# Altium PCB cc2530.PcbDoc
Units mil, origin at the board's own origin, x right, y up, seen from the top; angles counter-clockwise.
Board outline 1377.95 x 1574.8 mil, 4 copper layers (Top Layer, GND, PWR, Bottom Layer), stack 30.634 mil thick; 74 components, 51 nets, 246 pads, 77 vias.
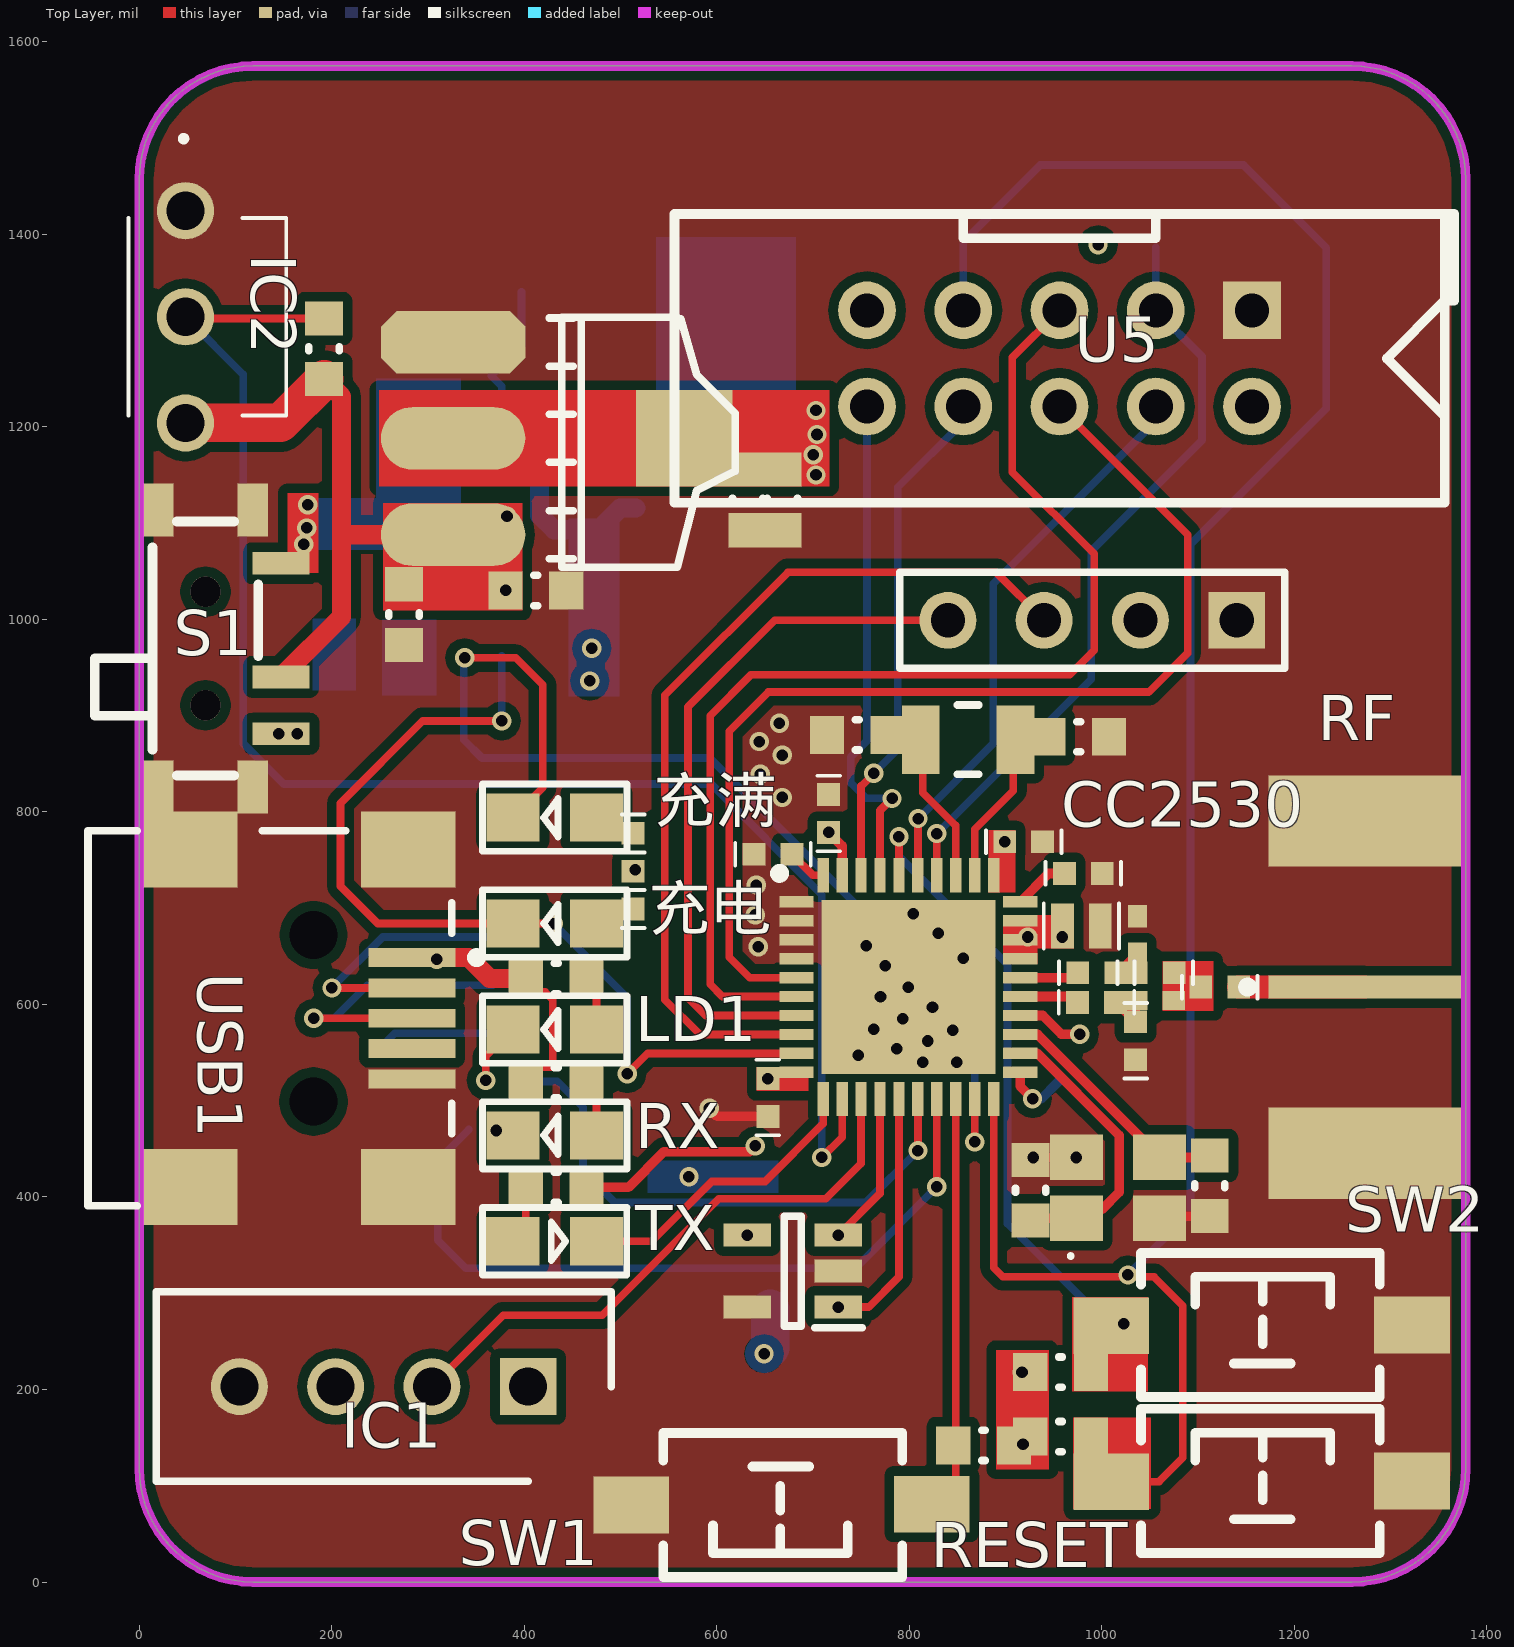
[diagram p0: Top Layer view]
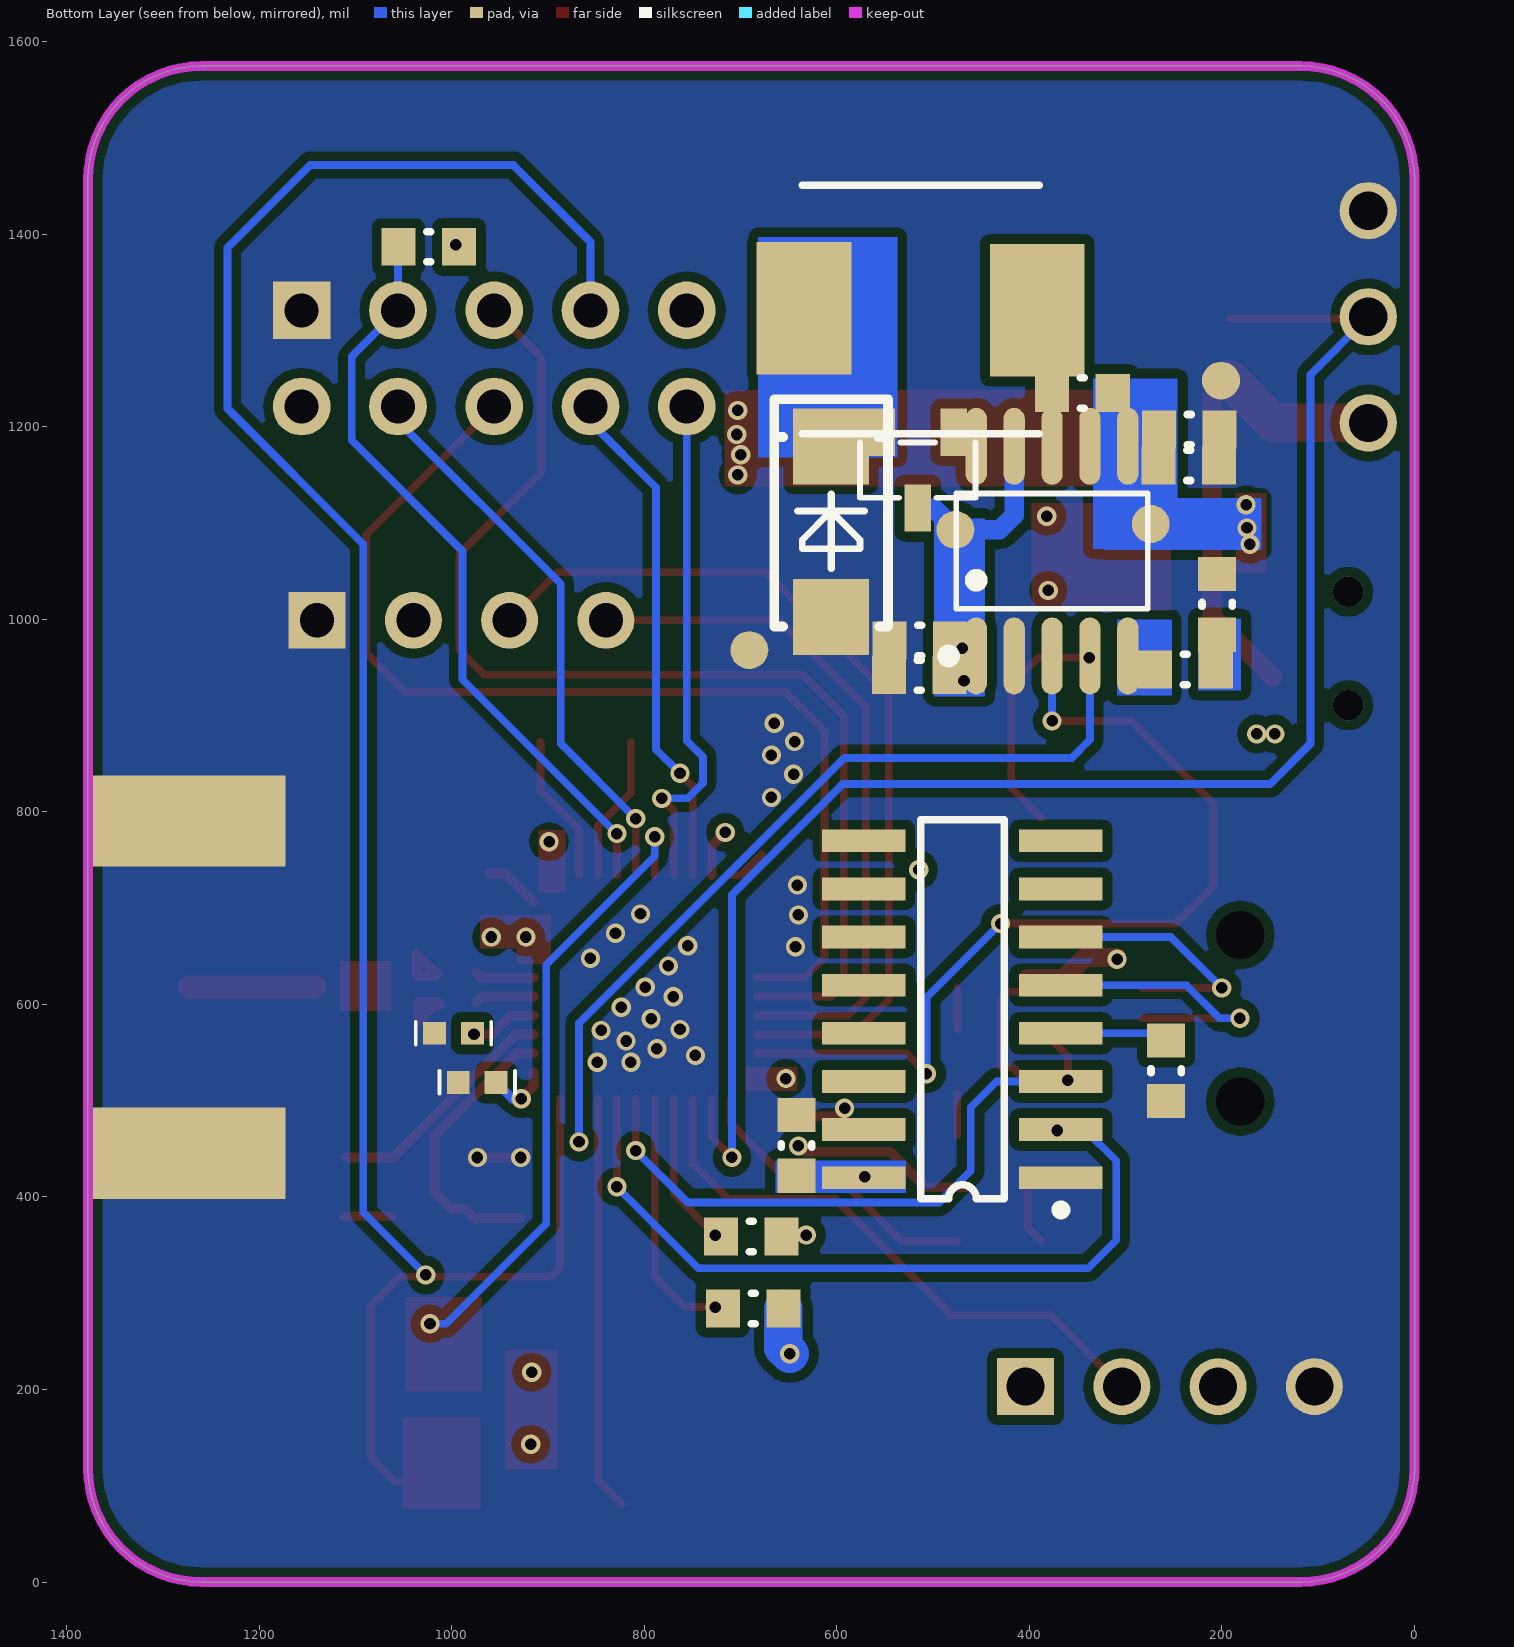
[diagram p1: Bottom Layer view, seen from below]
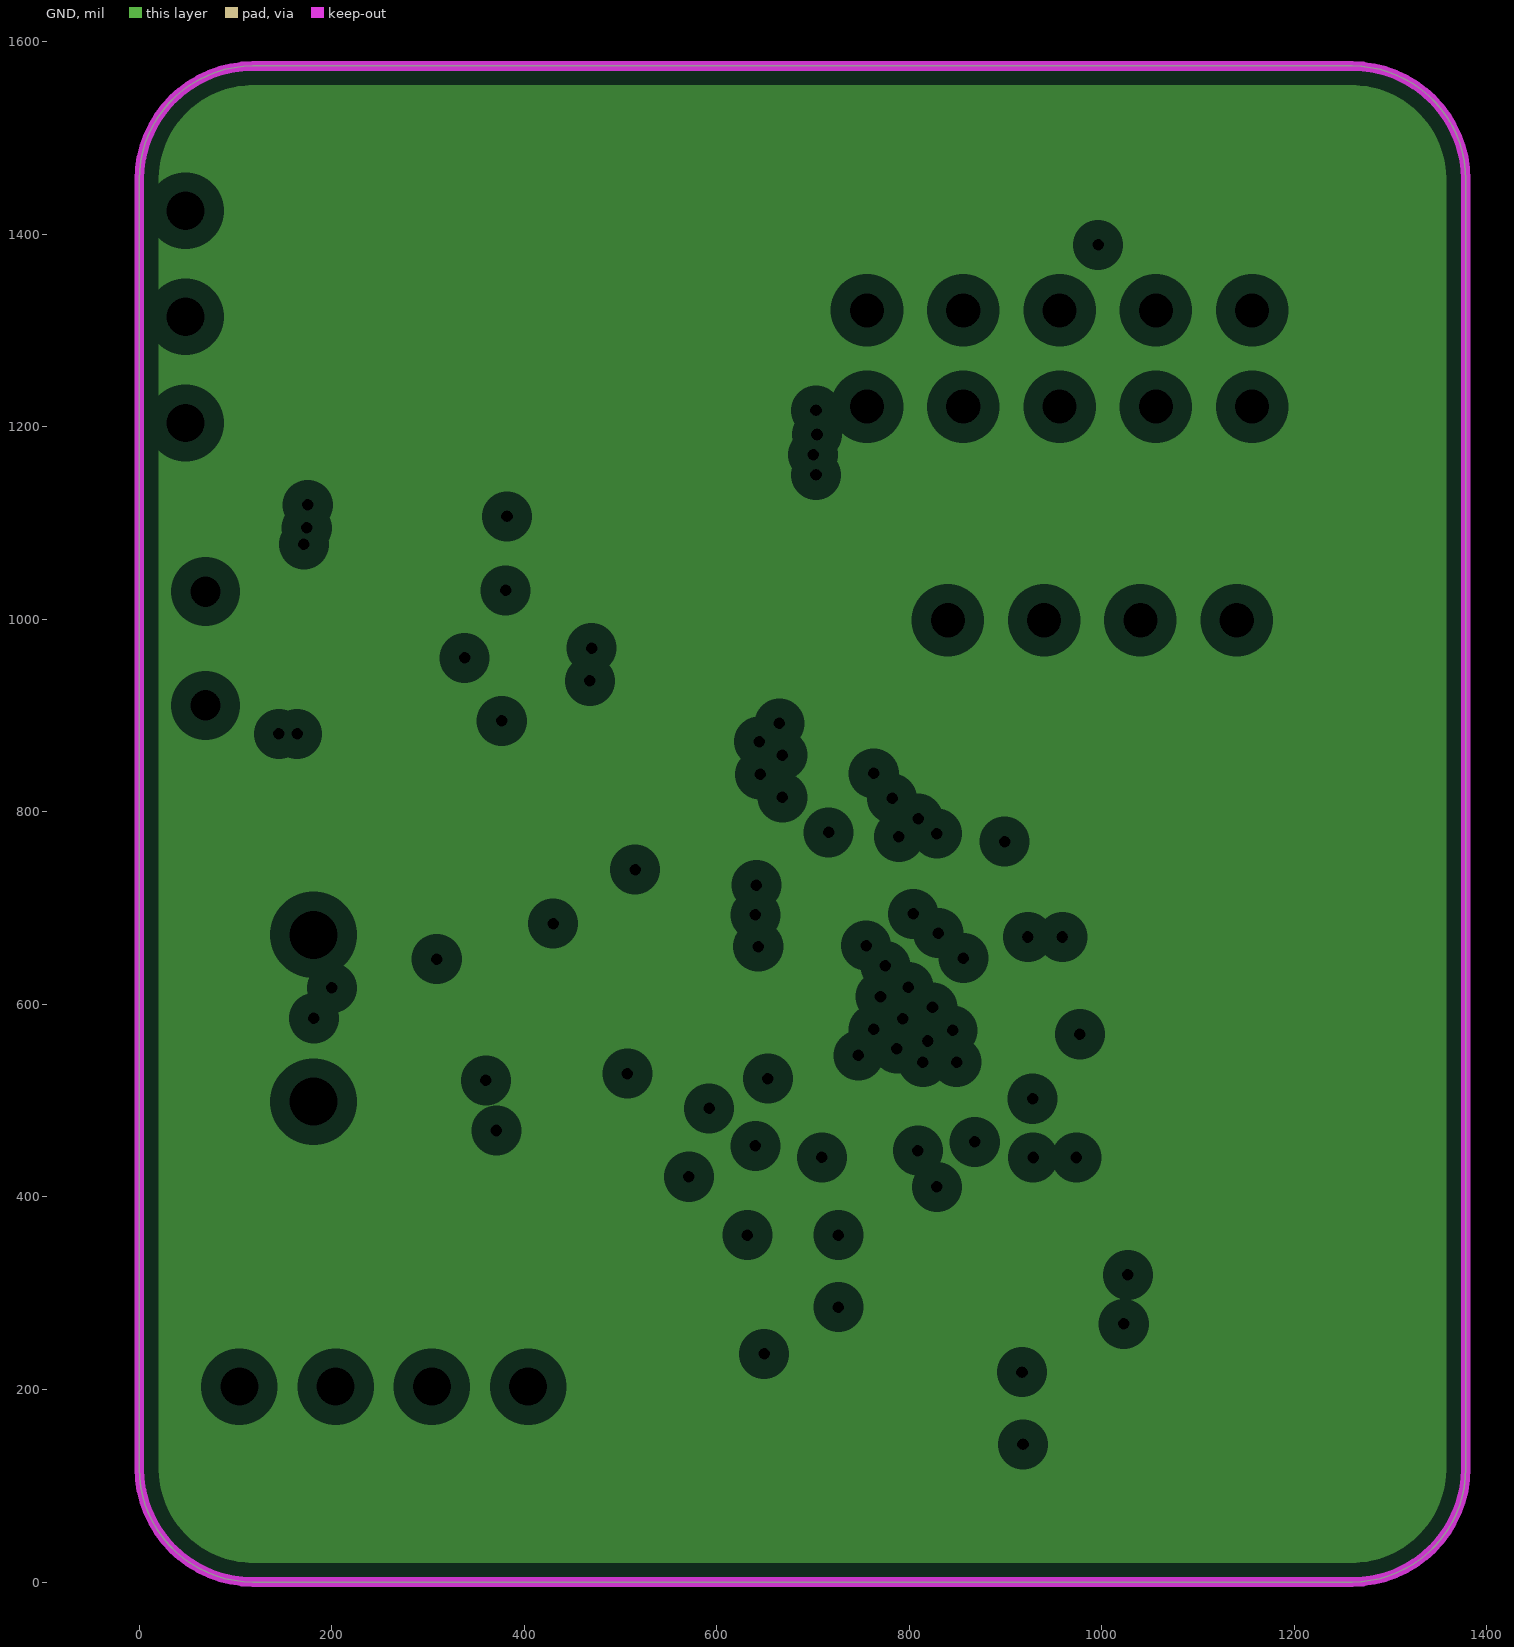
[diagram p2: GND, clearances drawn from the general rule]
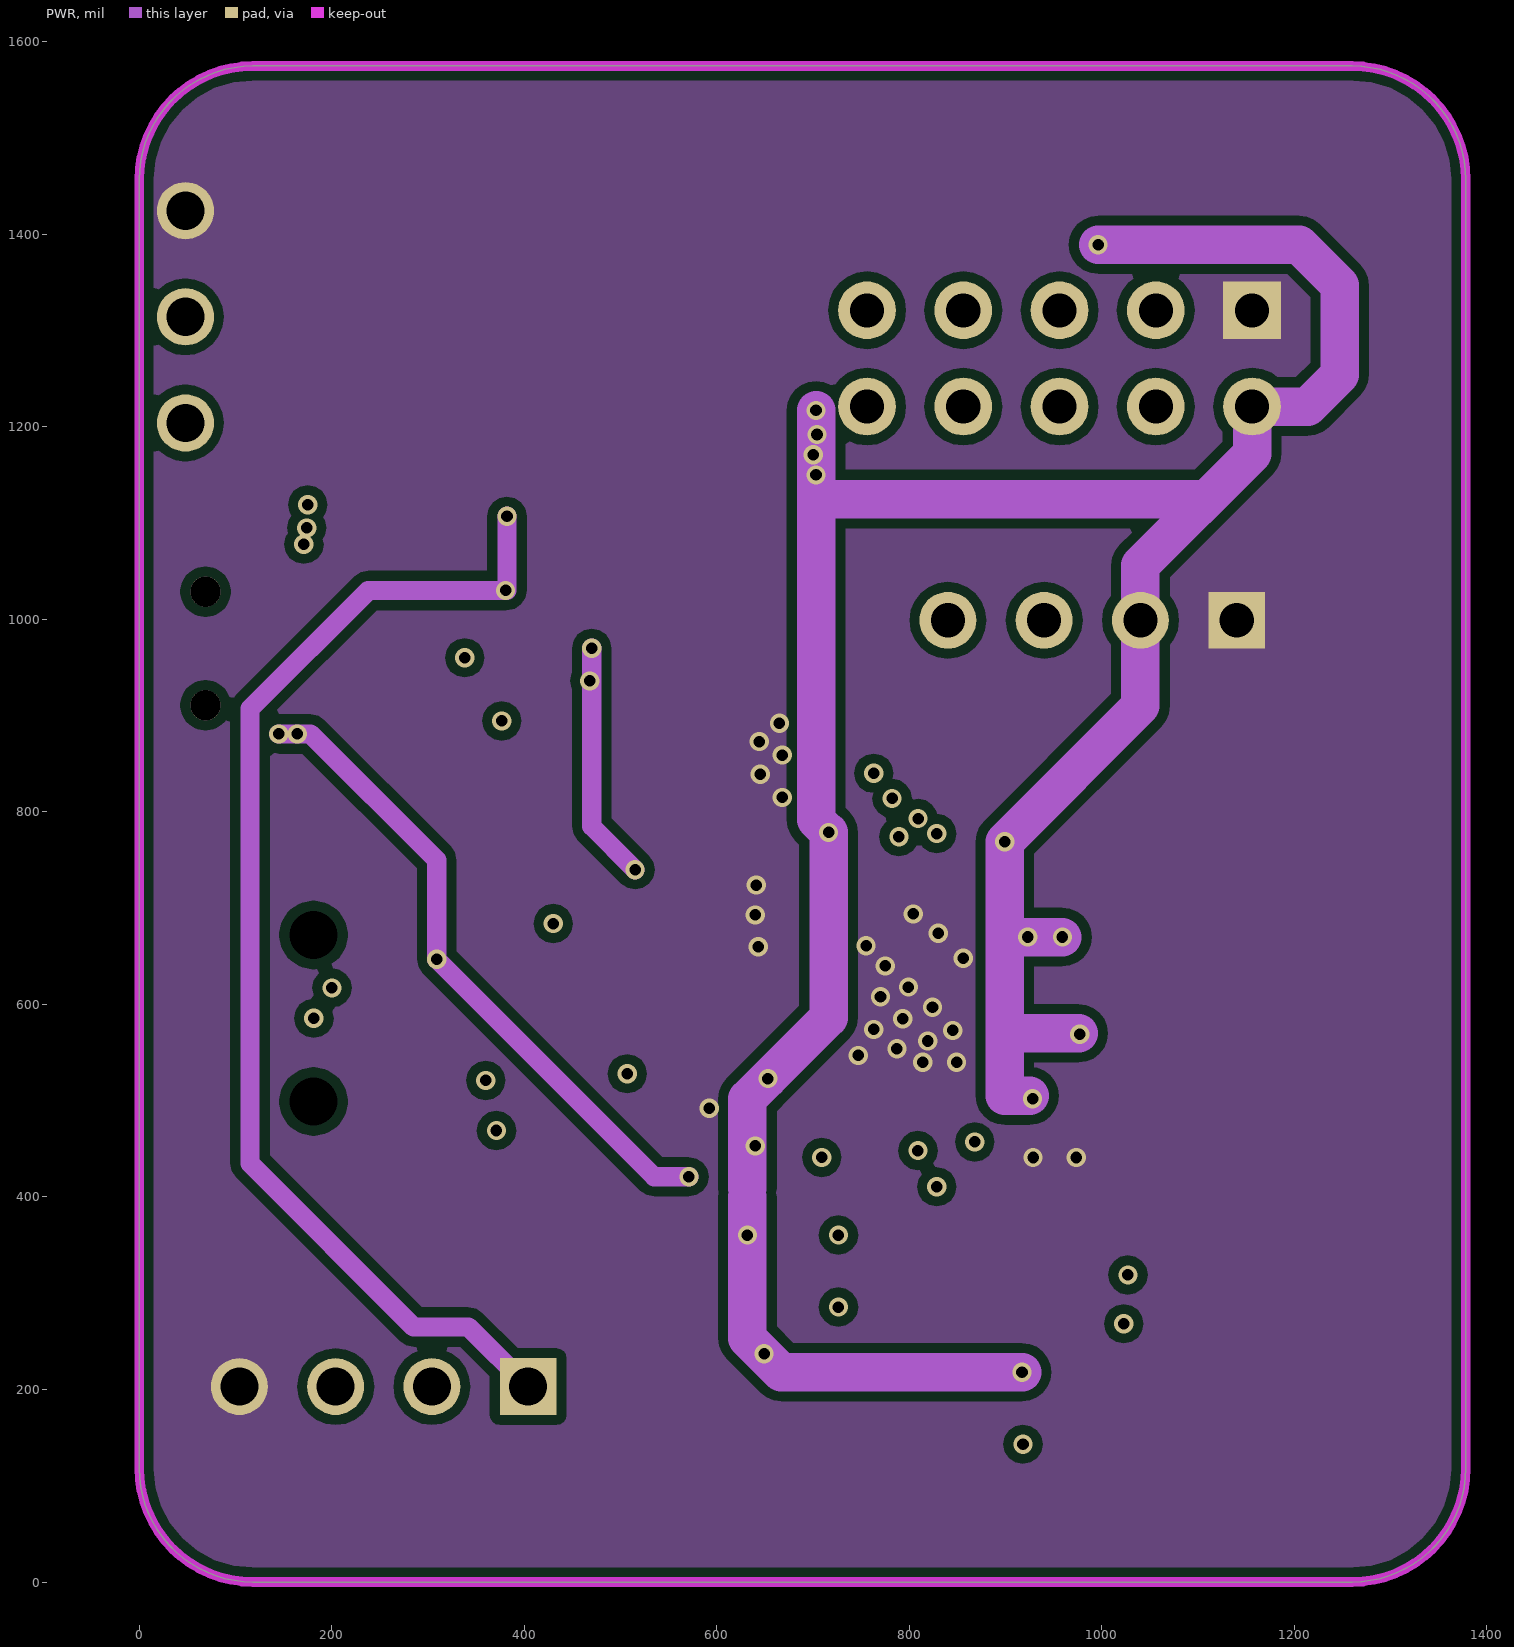
[diagram p3: PWR]

## Layer stack, top to bottom
Top Solder: solder mask 0.4, Solder Resist, Dk 3.5
Top Layer: signal copper 1.4
Dielectric 1: core 10, FR-4, Dk 4.2
GND: plane copper 1.417
Dielectric 2: prepreg 5, Dk 4.2
PWR: signal copper 1.417
Dielectric 3: core 10, Dk 4.2
Bottom Layer: signal copper 1.4
Bottom Solder: solder mask 0.4, Solder Resist, Dk 3.5

## Board outline
0,118.11 0,1456.69 cw(c118.11,1456.69) 118.11,1574.8 1259.84,1574.8 cw(c1259.84,1456.69) 1377.95,1456.69 1377.95,118.11 cw(c1259.84,118.11) 1259.84,0 118.11,0 cw(c118.11,118.11)

## Design rules (kind name [scope] priority, off if disabled: settings)
Clearance [All] p1: gap=10 ignorepadtopadclearanceinfootprint=FALSE except(0: Arc-Hole Track-Hole SMDPad-Hole THPad-Hole Via-Hole Fill-Hole Poly-Hole Region-Hole Text-Hole)
PlaneClearance [All] p1: clearance=20
PlaneConnect [All] p1: planeconnectstyle=Direct reliefexpansion=20 reliefentries=4 reliefconductorwidth=10 reliefairgap=10
PolygonConnect [All] p1: connectstyle=Direct reliefconductorwidth=10 reliefentries=4 polygonreliefangle="90 Angle" airgapwidth=10
RoutingVias [All] p1: holewidth=28 width=50 viastyle="Through Hole" minholewidth=28 minwidth=50 maxholewidth=28 maxwidth=50
SolderMaskExpansion [All] p1: expansion=4
Width [All] p1: maxlimit=100 minlimit=1 preferedwidth=10
28 further rules are at their usual default settings.

## Classes and differential pairs
component class cc2530: CC2530 IC1 IC2 LD1 RESET S1 SW1 SW2 U5 USB1

## Components (designator, comment, footprint, x,y, rotation, side; value= is the part's Value field where it differs from the comment)
C1 "1uF" 0402#1 716,778.63 r90 top
C2 "0.1uF" 0402#1 653,483.63 r90 top
C3 "0.1uF" 0402#1 954,519 r0 bottom
C4 "0.1uF" 0402#1 978.63,570 r0 bottom
C5 "0.1uF" 0402#1 959,670 r0 top
C6 "220pF" 0402#1 959,693 r0 top
C7 "0.1uF" 0402#1 899,769 r0 top
C8 "27pF" 0603C 1112,411.5 r90 top
C9 "27pF" 0603C 926,407 r270 top
C10 "15pF" 0603C 976,878 r0 top
C11 "15pF" 0603C 746,880 r180 top
C12 "18pF" 0402#1 975,633 r0 top
C13 "18pF" 0402#1 974.63,602 r0 top
C14 "1pF" 0402#1 1035.63,633 r0 top
C15 "1pF" 0402#1 1035,542.63 r90 top
C16 "2.2pF" 0402#1 1102.63,618 r0 top
C17 "1uF" 0402#1 638.63,756 r0 top
C18 "10nF" 0603C 258,531 r90 bottom
C19 "1uF" 0603C 642,453.5 r90 bottom
C20 "10uF" 0603C 668,1124 r90 top
C21 "0.1uF" 0603C 275,1005 r90 top
C22 "0.1uF" 0603C 632,1124 r90 top
C23 "10uF" 0603C 412,1030 r0 top
C24 "1uF" 0603C 514.5,942 r180 bottom
C25 "220nF" 0603C 238,948 r0 bottom
C26 "100nF" 0603C 514,978 r180 bottom
C27 "1uF" 0603C 234.5,1160 r0 bottom
C28 "10uF" 0603C 234,1197 r0 bottom
CC2530 "CC2530F128RHAR" QFN50P600X600X100-41N-D 799,618 r0 top locked
D1 "D" D-SMA 606,1091 r90 bottom
IC1 "101020011" HDRV4W80P0X254_1X4_1200X500X1550P 404,203 r180 top
IC2 "DS18B20+T&R" DS18B20TR 48,1424.47 r270 top
IC3 "AT24C08C-STUM-T" SOT95P280X100-5N 679,323 r180 top
J1 "DC-10P" DC-10P 956,1321 r0 top
L1 "2nH" 0402#2 1037,672 r90 top value=100uH
L2 "2nH" 0402#2 1055,604 r0 top value=100uH
L3 "10uH" L-6.5mm 513,1322 r180 bottom
LD1 "LED" SMDLED 475.07,573.94 r180 top
LD6 "LED" SMDLED 475.07,793.94 r180 top
P1 "4" HDR1X4 1140,999 r180 top
Q1 "EN2305" CN2305 516,1155 r90 bottom
R1 "56K" 0402#1 961,736 r0 top
R2 "1k" 0603R 433,627 r0 top
R3 "1k" 0603R 433,518.5 r180 top
R4 "10K" 0603R 1024,1387 r0 bottom
R6 "1K" 0603R 433,410 r0 top
R7 "10K" 0603R 877,142 r180 top
R8 "10K" 0603R 957,218 r0 top
R9 "10K" 0603R 192,1281 r270 top
R10 "10K" 0603R 957,151 r0 top
R11 "120" 0603R 205,1015.5 r270 bottom
R12 "xx" 0603R 345,1235 r180 bottom
R14 "1K" 0402#1 513,738.37 r270 top
R15 "1K" 0402#1 513,738.37 r90 top
R16 "10K" 0603R 689,359 r180 bottom
R17 "10K" 0603R 687,284 r180 bottom
RESET "3x6x5" "TSW SMD-3*6*2.5" 1167,105 r0 top (schematic designator SW3)
RF "SMA" SMA 1177,623 r180 top (schematic designator OUT)
RX "LED" SMDLED 475.07,463.94 r180 top (schematic designator LD2)
S1 "SS-12F23" MSK-12C01-07 68.79,969.7 r270 top
SW1 "3x6x5" "TSW SMD-3*6*2.5" 666,80 r180 top
SW2 "3x6x5" "TSW SMD-3*6*2.5" 1167,267 r0 top
TP1 "test point" TP 477,1093 r180 bottom
TP2 "test point" TP 201,1248 r90 bottom
TP3 "test point" TP 691,968 r90 bottom
TP4 "test point" TP 274,1099 r90 bottom
TX "LED" SMDLED 387.96,354.06 r0 top (schematic designator LD4)
U2 "CH340G" SOP16M 469.64,595 r90 bottom
U4 "CN3761" CN3761 376,1066 r180 bottom locked
U5 "AMS1117-3.3" AMS1117 326.06,1288.03 r270 top
USB1 "USB-B(Mini)" USB/SM0.8-6H5 -25.69,585.61 r180 top locked
X1 "NX3215SA-32.768KHZ-EXS00A-MU00525" XTAL_2SM_3R2X1R5 861,875 r0 top
Y1 "NX3225SA-32.000M-STD-CSR-3" NX3225SA12000MSTDCSR3 1016.69,409.5 r0 top
充电 "LED" SMDLED 475.07,683.94 r180 top (schematic designator LD5)

## Footprints (in the part's own frame and the unit in brackets; to place one, negate y for a bottom-side part, rotate by r counter-clockwise, add the part's x,y. Pads: shape width x height; smd on the part's side, far side on the other; paste and mask are expansions set on the pad)
0402#1 [mm]
  rect 0.6x0.6 smd: 1(0,0) 2(1,0)
  silkscreen extent -0.5,-0.3 1.5,0.3
0402#2 [mm] "Chip Capacitor, Body 1.0x0.5mm, IPC High Density"
  rect 0.6x0.5 smd: 1(-0.5,0) 2(0.5,0)
  body extent -0.55,-0.3 0.55,0.3, height 1.3
0603C [mm] "Chip Capacitor, Body 1.6x0.8mm, Height 1.0mm, IPC Medium Density"
  rect 0.9x1 smd: 1(-0.8,0) 2(0.8,0)
  silkscreen extent -0.05,-0.4 0.05,0.4, body extent -0.87,-0.48 0.88,0.47, height 1
0603R [mm] "Chip Resistor, Body 1.6x0.8mm, IPC Medium Density"
  rect 0.9x1 smd: 1(-0.8,0) 2(0.8,0)
  silkscreen extent -0.05,-0.4 0.05,0.4, body extent -0.85,-0.47 0.85,0.47, height 0.6
AMS1117 [mil]
  oct 65x150 smd: 1(0.03,-0.06)
  oval 65x150 smd: 2(100.03,-0.06) 3(200.03,-0.06)
  rect 100x100 smd: 4(100.03,239.94)
  silkscreen extent -26,100 234,293
CN2305 [mm]
  rect 1.25x0.7 smd: 1(1,-0.95) 2(1,0.95) 3(-1,0)
  silkscreen extent -0.73,-1.53 0.73,1.53
CN3761 [mm]
  oval 0.56x2.031 smd: 1(-2.013,-2.642) 2(-1.013,-2.642) 3(-0.013,-2.642) 4(0.987,-2.642) 5(1.987,-2.642) 6(1.987,2.889) 7(0.987,2.889) 8(-0.013,2.889) 9(-1.013,2.889) 10(-2.013,2.889)
  silkscreen extent -2.9,-2.79 2.51,1.64
D-SMA [mm]
  rect 2x2 smd: 1(-2.25,0) 2(2.25,0)
  silkscreen extent -2.5,-1.5 3.5,1.5, body extent -2.5,-1.35 2.5,1.35, height 2.15
DC-10P [mil]
  rect 60x60 hole 35.43: 1(200,0)
  round 60 hole 35.43: 2(100,0) 3(0,0) 4(-100,0) 5(-200,0) 6(-200,-100) 7(-100,-100) 8(0,-100) 9(100,-100) 10(200,-100)
  silkscreen extent -400,-200 410,100, body extent -401,-233 401,123, height 357
DS18B20TR [mm]
  round 1.512 hole 1.008: 1(0,0) 2(2.8,0) 3(5.6,0)
  silkscreen extent -1.95,-1.5 5.41,2.66, body extent -2.22,-17.02 2.22,0, height 2.22
HDR1X4 [mm]
  rect 1.5x1.5 hole 0.9: 1(0,0)
  round 1.5 hole 0.9: 2(2.54,0) 3(5.08,0) 4(7.62,0)
  silkscreen extent -1.27,-1.27 8.89,1.27
HDRV4W80P0X254_1X4_1200X500X1550P [mm]
  rect 1.5x1.5 hole 1: 1(0,0)
  round 1.5 hole 1: 2(2.54,0) 3(5.08,0) 4(7.62,0)
  silkscreen extent -2.19,-2.5 9.81,2.5
L-6.5mm [mm]
  rect 2.5x3.5 smd: 1(-3.075,0.025) 2(3.075,-0.025)
  silkscreen extent -3.12,-3.28 3.12,3.28, body extent -3.13,-3 3.13,3, height 3
MSK-12C01-07 [mm] "6.7*2.8*1.5mm(长宽高）"
  rect 1.4x0.8 smd: 0(-3.65,-1.25) 0(-3.65,1.25) 0(3.65,-1.25) 0(3.65,1.25)
  rect 0.6x1.5 smd: 1(-2.25,1.996) 2(0.75,1.996) 3(2.25,1.996)
  round 0.8 hole 0.8: " "(-1.5,0) " "(1.5,0)
  silkscreen extent -3.35,-2.92 3.35,1.4, body extent -3.92,-2.9 3.92,2.4, height 1.5
NX3225SA12000MSTDCSR3 [mm]
  rect 1.4x1.2 smd: 1(-1.1,-0.8) 2(1.1,-0.8) 3(1.1,0.8) 4(-1.1,0.8)
  silkscreen extent -1.3,-1.85 -1.2,-1.75, body extent -1.68,-1.28 1.68,1.28, height 0.7
QFN50P600X600X100-41N-D [mm]
  rect 0.9x0.3 smd: 1(-2.95,2.25) 2(-2.95,1.75) 3(-2.95,1.25) 4(-2.95,0.75) 5(-2.95,0.25) 6(-2.95,-0.25) 7(-2.95,-0.75) 8(-2.95,-1.25) 9(-2.95,-1.75) 10(-2.95,-2.25) 21(2.95,-2.25) 22(2.95,-1.75) 23(2.95,-1.25) 24(2.95,-0.75) 25(2.95,-0.25) 26(2.95,0.25) 27(2.95,0.75) 28(2.95,1.25) 29(2.95,1.75) 30(2.95,2.25)
  rect 0.3x0.9 smd: 11(-2.25,-2.95) 12(-1.75,-2.95) 13(-1.25,-2.95) 14(-0.75,-2.95) 15(-0.25,-2.95) 16(0.25,-2.95) 17(0.75,-2.95) 18(1.25,-2.95) 19(1.75,-2.95) 20(2.25,-2.95) 31(2.25,2.95) 32(1.75,2.95) 33(1.25,2.95) 34(0.75,2.95) 35(0.25,2.95) 36(-0.25,2.95) 37(-0.75,2.95) 38(-1.25,2.95) 39(-1.75,2.95) 40(-2.25,2.95)
  rect 4.6x4.6 smd: 41(0,0)
  silkscreen extent -3.52,2.88 -3.27,3.12, body extent -3.05,-3.05 3.05,3.05, height 1
SMA [mil]
  rect 200x24 smd: 1(-96,5)
  rect 200x95 smd: 2(-96,177.5) 2(-96,-167.5)
  rect 200x95 smd far side: 2(-96,177.5) 2(-96,177.5) 2(-96,-167.5)
  silkscreen extent 21,0 31,10, body extent -571,-183 -9,192, height 171
SMDLED [mm]
  rect 1.4x1.27 smd: 1(0.001,-0.002) 2(2.211,-0.002)
  silkscreen extent -0.8,-0.89 3.01,0.89
SOP16M [mm]
  rect 0.6x2.2 smd: 1(-4.445,-2.6) 2(-3.175,-2.6) 3(-1.905,-2.6) 4(-0.635,-2.6) 5(0.635,-2.6) 6(1.905,-2.6) 7(3.175,-2.6) 8(4.445,-2.6) 9(4.445,2.6) 10(3.175,2.6) 11(1.905,2.6) 12(0.635,2.6) 13(-0.635,2.6) 14(-1.905,2.6) 15(-3.175,2.6) 16(-4.445,2.6)
  silkscreen extent -5.42,-2.72 5,1.1
SOT95P280X100-5N [mm]
  rect 1.25x0.6 smd: 1(-1.2,0.95) 2(-1.2,0) 3(-1.2,-0.95) 4(1.2,-0.95) 5(1.2,0.95)
  silkscreen extent -1.83,-1.45 0.23,1.5
TP [mm] "Testpoint, Surface Mounting, Circular, Pad Diameter 1mm"
  round 1 smd: 1(0,0)
"TSW SMD-3*6*2.5" [mm] "3*6*2.5mm"
  rect 2x1.5 smd: 1(-3.996,-0.02) 2(3.937,0)
  silkscreen extent -3.21,-1.9 3.09,1.9, body extent -4,-1.88 4,1.62, height 2.59
USB/SM0.8-6H5 [mm]
  rect 2.3x0.5 smd: 1(-7.85,-1.6) 2(-7.85,-0.8) 3(-7.85,0) 4(-7.85,0.8) 5(-7.85,1.6)
  rect 2.5x2 smd: 6(-7.75,4.45) 7(-1.996,4.45) 8(-7.75,-4.45) 9(-1.996,-4.45)
  round 0.6 hole 1.27 unplated: MH1(-5.25,2.2) MH2(-5.25,-2.2)
  silkscreen extent -9.68,-4.95 0.7,4.95
XTAL_2SM_3R2X1R5 [mm] "CRYSTAL 32.768KHZ 6PF SMD 2 pads"
  rect 1x1.8 smd: 1(-1.25,0) 2(1.25,0)
  silkscreen extent -0.28,-0.91 0.28,0.91, body extent -1.63,-0.75 1.58,0.75, height 0.89

## Part data
C1 C2 C3 C4 C5 C6 C7 C8 C9 C10 C11 C12 C13 C14 C15 C16 C17 C18 C19 C20 C21 C22 C23 C24 C25 C26 C27 C28: library part C, "Capacitor"
CC2530: "Integrated Circuit", Manufacturer_Name="Texas Instruments", Mouser Part Number=595-CC2530F128RHAR, Arrow Part Number=CC2530F128RHAR, Arrow Price/Stock=https://www.arrow.com/en/products/cc2530f128rhar/texas-instruments, Datasheet Link=http://www.ti.com/lit/gpn/CC2530-RF4CE, Height=1mm, Manufacturer_Part_Number=CC2530F128RHAR, Mouser Price/Stock=https://www.mouser.co.uk/ProductDetail/Texas-Instruments/CC2530F128RHAR?qs=X4N6sOTYzkgp9HkVp9sZXw%3D%3D
D1: library part Diode, "二极管"
IC1: "Integrated Circuit", Manufacturer_Name="Seeed Studio", Mouser Part Number=713-101020011, Arrow Part Number=101020011, Arrow Price/Stock=https://www.arrow.com/en/products/101020011/seeed-technology-limited, Datasheet Link=https://componentsearchengine.com/Datasheets/1/101020011.pdf, Height=15.5mm, Manufacturer_Part_Number=101020011, Mouser Price/Stock=https://www.mouser.co.uk/ProductDetail/Seeed-Studio/101020011?qs=1%252B9yuXKSi8Dq%252B99bte6U5Q%3D%3D
IC2: "Integrated Circuit", Manufacturer_Name="Maxim Integrated", Mouser Part Number=700-DS18B20T&R, Datasheet Link=https://componentsearchengine.com/Datasheets/1/DS18B20+T&R.pdf, Height=10.41mm, Manufacturer_Part_Number=DS18B20+T&R, Mouser Price/Stock=https://www.mouser.co.uk/ProductDetail/Maxim-Integrated/DS18B20%2bTR?qs=7H2Jq%252ByxpJKpIDCbiq4lfg%3D%3D
IC3: "Integrated Circuit", Manufacturer_Name=Microchip, Mouser Part Number=556-AT24C08C-STUM-T, Arrow Part Number=AT24C08C-STUM-T, Arrow Price/Stock=https://www.arrow.com/en/products/at24c08c-stum-t/microchip-technology, Datasheet Link=https://www.mouser.com/datasheet/2/268/Atmel-8787-SEEPROM-AT24C04C-08C-Datasheet-1398080.pdf, Height=1mm, Manufacturer_Part_Number=AT24C08C-STUM-T, Mouser Price/Stock=https://www.mouser.co.uk/ProductDetail/Microchip-Technology-Atmel/AT24C08C-STUM-T/?qs=TI%2F9gtmDCEHb3Qhj7sWiHQ%3D%3D
L1 L2: library part Inductor, "Inductor", Published=8-Jun-2000, Publisher="Altium Limited", Revision="July-2002: Re-released for DXP Platform."
L3: library part Inductor
LD1 LD6 RX TX 充电: "Typical RED, GREEN, YELLOW, AMBER GaAs LED", PackageDocument=Feb-2002, LatestRevisionDate=17-Jul-2002, LatestRevisionNote="Re-released for DXP Platform.", PackageReference=3.2X1.6X1.1, Published=8-Jun-2000, Publisher="Altium Limited"
P1: library part "Header 4", "Header, 4-Pin", LatestRevisionDate=17-Jul-2002, LatestRevisionNote="Re-released for DXP Platform.", Publisher="Altium Limited"
Q1: BOM_JLCPCB Part Class="Extended Part", BOM_Manufacturer=ETERNAL, BOM_Manufacturer Part=EN2305, BOM_Supplier=LCSC, BOM_Supplier Part=C967035, Contributor=LCSC, spicePre=Q, spiceSymbolName=EN2305
R1 R2 R3 R4 R6 R7 R8 R9 R10 R11 R12 R14 R15 R16 R17: library part Resistor, "Resistor"
RESET SW1 SW2: library part "TSW 3x6", "3x6轻触开关", BOM名称=3x6轻触开关, 学习资源=www.ooocke.com, 版权归属=源创客
RF: "SMA Connector"
S1: library part SSW-1P, "1路波动开关", BOM名称=波动开关, 学习资源=www.ooocke.com, 版权归属=源创客
TP1 TP2 TP3 TP4: library part TP
U2: "USB2UART"
U4: library part CN3761_1, BOM_JLCPCB Part Class="Extended Part", BOM_Manufacturer=CONSONANCE, BOM_Manufacturer Part=CN3761, BOM_Supplier=LCSC, BOM_Supplier Part=C41308, spicePre=U, spiceSymbolName=CN3761
U5: library part AMS1117
USB1: library part USB5_1
X1: library part XTAL, "Crystal"
Y1: library part NX3225SA-12.000M-STD-CSR-3, "Crystal or Oscillator", Manufacturer_Name="Nihon Dempa Kogyo Co.", Arrow Part Number=NX3225SA-12.000M-STD-CSR-3, Arrow Price/Stock=https://www.arrow.com/en/products/nx3225sa12.000mstdcsr3/ndk, Datasheet Link=https://www.arrow.com/en/products/nx3225sa12.000mstdcsr3/ndk, Height=0.6mm, Manufacturer_Part_Number=NX3225SA-12.000M-STD-CSR-3

## Via types
v1: diameter 20, hole 12, Top Layer to Bottom Layer, tented both sides, 77 vias

## Nets (pads, with @x,y where several pads share a name; then routed paths per layer and width w, separated by ;. In a path a pad name is that pad's centre, name@x,y a point inside that pad or via, vN(x,y) a via of type N, cw(c..) or ccw(c..) an arc to the next point about the centre after c; other vN are vias at no path point)
3V3: C1.1 C2.2 C3.1 C4.1 C5.1 C6.1 C7.1 C20.2 C22.2 CC2530.10 CC2530.21 CC2530.24 CC2530.27 CC2530.28 CC2530.29 CC2530.31 CC2530.39 IC3.4 J1.10 P1.2 R4.1 R6.2 R7.1 R8.1 R10.1 R16.2 R17.2 U5.2 U5.4 | length 3610.8
  Top Layer w10: R6.2 508,410 545,447 634,447 v1(640,453) ; v1(716,778.63) 730.1,764.53 CC2530.39 ; CC2530.21 915.14,514.86 v1(928,502) ; CC2530.24 938.53,588.47 958,569 v1(977,569) ; CC2530.27 CC2530.28 CC2530.29
  PWR w40: 631.76,400 v1(631.76,360.4) 631.76,253.24 667,218 v1(917,218) ; 631.76,409 631.76,501.76 v1(653,523) 716,586 v1(716,778.63) 703,791.63 703,1125 ; v1(703,1217) v1(703,1150) 703,1125 ; 905,670 v1(923,670) v1(959,670) ; v1@925,505 899,505 899,570 ; v1@976,570 899,570 ; v1(996,1389) 1205,1389 1247,1347 1247,1254 1214,1221 J1.10 1156,1172 1040,1056 P1.2 1040,910 v1(899,769) 899,570 ; 1105,1125 703,1125
  Bottom Layer w10: v1(928,502) 937,502 C3.1
  Bottom Layer w40: v1(649,237) 655.5,243.5 R17.2
  other v1: 918,143 700,1171 704,1192
GND: C1.2 C2.1 C3.2 C4.2 C5.2 C6.2 C7.2 C8.1 C9.1 C10.2 C11.2 C15.1 C17.1 C18.1 C19.2 C20.1 C21.1 C22.1 C23.2 C24.1 C26.1 C27.1 C28.1 CC2530.1 CC2530.2 CC2530.3 CC2530.4 CC2530.41 D1.1 IC1.4 IC2.1 IC3.2 IC3.5 J1.1 L1.2 P1.1 R1.2 R11.1 RESET.2 RF.2 S1.0 SW1.2 SW2.2 TP2.1 TP3.1 U2.1 U4.2 U5.1 USB1.5 USB1.6 USB1.7 USB1.8 USB1.9 Y1.2 Y1.4 | length 159.4
  Top Layer w10: v1(592,492) 600.37,483.63 C2.1 ; v1(928.5,440.99) v1(973.39,440.99) ; Y1.2@1062,380 C8.1
  other v1: 814,540 849,540 747,547 787,554 819,562 845,573 763,574 793,585 824,597 770,608 799,618 775,640 856,648 643,660 755,661 830,674 640,693 804,694 641,724 668,815 645,839 668,859 644,873 665,892
NetC8_2: C8.2 CC2530.23 Y1.3 | length 248.1
  Top Layer w10: CC2530.23 933.21,568.79 Y1.3@1060.5,441.5 ; Y1.3 C8.2@1110,440.99
NetC9_2: C9.2 CC2530.22 Y1.1 | length 295.7
  Top Layer w10: CC2530.22 932.9,549.1 1018,464 1018,405 1000.53,387.53 986.42,387.53 Y1.1@975.89,377 ; C9.2@928.5,378 Y1.1
NetC10_1: C10.1 CC2530.32 X1.2 | length 155.3
  Top Layer w8: CC2530.32 867.9,781.9 908,822 X1.2@908,872.79
NetC11_1: C11.1 CC2530.33 X1.1 | length 152.8
  Top Layer w8: X1.1@814,872.79 814,820 848.21,785.79 CC2530.33
NetC12_1: C12.1 CC2530.26 | length 62
  Top Layer w10: CC2530.26 969.84,627.84 C12.1
NetC12_2: C12.2 C14.1 L1.1 | length 72.1
  Top Layer w10: C12.2 1017.68,633 L1.1 1037,631.37 1035.63,630 C12.2@1017,630
NetC13_1: C13.1 CC2530.25 | length 62
  Top Layer w10: CC2530.25 968.47,608.16 C13.1
NetC13_2: C13.2 C15.2 L2.1 | length 69.8
  Top Layer w10: C13.2@1012,599 1018,599 1034.63,582.37 1034.63,602 C13.2
NetC14_2: C14.2 C16.1 L2.2 | length 74.8
  Top Layer w10: C14.2@1075,630 1075,603 1090,618 1079,629 1079,618
NetC16_2: C16.2 RF.1 | length 131
  Top Layer w24: C16.2 RF.1
NetC17_2: C17.2 CC2530.40 | length 41.5
  Top Layer w8: C17.2 699.86,734.14 CC2530.40
NetC18_2: C18.2 U2.4 | length 112.4
  Bottom Layer w8: C18.2 265.5,570 U2.4
NetC25_1: C25.1 R11.2
NetC25_2: C25.2 U4.5
NetCC2530_30: CC2530.30 R1.1 | length 58
  Top Layer w10: CC2530.30 944.56,736 R1.1
NetD1_2: D1.2 L3.1 Q1.2
NetL3_2: L3.2 R12.1 U4.8 | length 177.9
  Bottom Layer w8: U4.8 376.52,1241.98 365.5,1253 397,1284.5 L3.2@397,1340
NetLD1_1: LD1.1 R2.2 | length 42.5
  Top Layer w8: LD1.1 R2.2@475.04,616.46
NetLD2_1: R3.1 RX.1 | length 44
  Top Layer w8: RX.1 R3.1@475.04,507.96
NetLD4_1: R6.1 TX.1 | length 61.6
  Top Layer w8: TX.1 401.5,367.51 R6.1
NetLD5_1: R14.2 充电.1
NetLD6_1: LD6.1 R15.2
NetQ1_1: Q1.1 U4.10
NetU2_5: U2.5 USB1.3 | length 302.1
  Top Layer w8: v1(181.39,585.61) USB1.3
  Bottom Layer w8: v1(181.39,585.61) 202.55,585.61 236.94,620 U2.5
NetU2_6: U2.6 USB1.2 | length 272.3
  Top Layer w8: v1(200.11,617.11) USB1.2
  Bottom Layer w8: v1(200.11,617.11) 253,670 U2.6
P0_0: CC2530.19 LD6.2 U4.4 | length 1151.4
  Top Layer w8: v1(338,960) 391,960 419,932 419,824.97 LD6.2 ; v1(867.9,457.1) CC2530.19
  Bottom Layer w8: U4.4 337.15,874.85 356,856 592.46,856 867.9,580.56 v1(867.9,457.1)
P0_1: CC2530.18 R7.2 SW1.1 | length 431.4
  Top Layer w8: SW1.1 848.21,105.68 CC2530.18
P0_2: CC2530.17 RX.2 U2.2 | length 785.4
  Top Layer w8: v1(828.53,410.53) CC2530.17
  Bottom Layer w8: U2.2@342.36,470 309.97,437.61 309.97,354.97 339,325.94 339,326 744,326 v1(828.53,410.53)
  other v1: 371,469
P0_3: CC2530.16 LD1.2 U2.3 | length 636.3
  Top Layer w8: v1(360,521) 360,545.97 LD1.2 ; v1(808.84,448.16) CC2530.16
  Bottom Layer w8: U2.3@404,520 434,520 461,493 461,427 493.81,394.19 754.87,394.19 v1(808.84,448.16)
P0_4: CC2530.15 IC3.1 R17.1 | length 260.7
  Top Layer w8: v1(726.24,285.6) 757.6,285.6 789.16,317.16 CC2530.15
P0_5: CC2530.14 IC3.3 R16.1 | length 159.4
  Top Layer w8: v1(726.24,360.4) 769.47,403.63 CC2530.14
P0_6: CC2530.13 IC1.2 | length 608.9
  Top Layer w8: IC1.2 378,277 481,277 602,398 713,398 749.79,434.79 CC2530.13
P0_7: CC2530.12 IC2.2 R9.1 | length 1619
  Top Layer w8: IC2.2@49.74,1312.5 R9.1 ; v1(709,441) 730.1,462.1 CC2530.12
  Bottom Layer w8: IC2.2 108,1254.24 108,871 150,829 594,829 709,714 v1(709,441)
P1_0: CC2530.11 TX.2 | length 311.6
  Top Layer w8: TX.2 532.54,354 594.54,416 650.06,416 710.42,476.36 CC2530.11
P1_1: CC2530.9 U4.3 充电.2 | length 971
  Top Layer w8: v1(376.52,894.48) 294.48,894.48 209,809 209,722.85 247.85,684 充电.2 v1(430,684) ; v1(507,528) 528.1,549.1 CC2530.9
  Bottom Layer w8: U4.3 v1(376.52,894.48) v1@378,893 ; v1@425.58,680 434,680 507,607 v1(507,528)
P1_2: CC2530.8 P1.3 | length 935.6
  Top Layer w8: CC2530.8 582.21,568.79 546,605 546,921 674,1049 890,1049 P1.3
P1_3: CC2530.7 P1.4 | length 729.8
  Top Layer w8: CC2530.7 588.53,588.47 570,607 570,909 660,999 P1.4
P1_4: CC2530.6 J1.3 | length 1209.8
  Top Layer w8: CC2530.6 605.84,608.16 593,621 593,900 635.43,942.43 966.43,942.43 992,968 992,1068 907,1153 907,1272 J1.3
P1_5: CC2530.5 J1.8 | length 1134.4
  Top Layer w8: CC2530.5 634.16,627.84 612.82,649.18 612.82,883.82 653.43,924.43 1048.43,924.43 1089,965 1089,1088 J1.8
P1_6: CC2530.38 J1.7 | length 530.9
  Top Layer w8: CC2530.38 749.79,826.79 v1(763,840)
  Bottom Layer w8: v1(763,840) 788,865 788,1137 856,1205 J1.7
P1_7: CC2530.37 J1.6 | length 532.7
  Top Layer w8: CC2530.37 769.47,801.47 v1(782,814)
  Bottom Layer w8: J1.6 756,874 739,857 739,830.06 755.06,814 v1(782,814)
P2_0: CC2530.36 R8.2 SW2.1 | length 652.6
  Top Layer w8: CC2530.36 v1(789.16,774.16)
  Bottom Layer w8: v1(789.16,774.16) 789.16,753.84 902,641 902,372 1005.79,268.21 v1(1022.69,268.21)
P2_1: CC2530.35 J1.9 | length 589.2
  Top Layer w8: CC2530.35 v1@808.84,793
  Bottom Layer w8: v1(809,793) 887,871 887,1037 1056,1206 J1.9
P2_2: CC2530.34 J1.2 R4.2 | length 786.3
  Top Layer w8: CC2530.34 v1(828.53,777.47)
  Bottom Layer w8: v1(828.53,777.47) 989,937.94 989,1071 1104,1186 1104,1273 J1.2 R4.2@1056,1386.5
RESET: CC2530.20 J1.4 R10.2 RESET.1 | length 2299.9
  Top Layer w8: CC2530.20 887.58,326.42 897,317 1054,317 1084,287 1084,129 1059.21,104.21 RESET.1
  Bottom Layer w8: J1.4 856,1392 936,1472 1147,1472 1233,1386 1233,1219 1092,1078 1092,384 v1(1027,319)
VCC: C19.1 R2.1 R3.2 S1.3 U2.16 USB1.1 | length 928.5
  Top Layer w8: R3.2 418,535 429.59,535 429.59,604.8 421.39,613 401.5,613 R2.1
  Top Layer w20: USB1.1@309,648.6 342.59,648.6 364.19,627 R2.1
  PWR w20: v1(145,881) v1(164,881) 178,881 309,750 v1(309,647) 535,421 v1(571,421)
VCC1: C21.2 C23.1 IC1.1 IC2.3 R9.2 S1.2 U5.3 | length 1873.8
  Top Layer w10: U5.3@316,1088 U5.3
  Top Layer w20: S1.2 210,1002.8 210,1084 ; R9.2 210,1231.5 210,1084 ; U5.3@316,1088 214,1088 210,1084
  Top Layer w40: IC2.3 146.5,1204 R9.2
  PWR w20: v1(380.5,1030) 238,1030 115,907 115,435 285,265 342,265 IC1.1 ; v1@382,1030 v1(382,1107)
VCC-Li: C27.2 C28.2 R12.2 S1.1 TP4.1 U4.6 U4.7
  other v1: 171,1078 174,1095 175,1119
VCC-SUN: C24.2 C26.2 Q1.3 R14.1 R15.1 TP1.1 U4.1 U4.9 | length 436
  PWR w20: v1(470,970) 470,785 v1(515,740)
  Bottom Layer w20: U4.9 415.89,1108.11 431,1093 TP1.1 499.63,1115.63 Q1.3
  other v1: 468,936
pads on no net: "S1. " IC1.3 J1.5 U2.7 U2.8 U2.9 U2.10 U2.11 U2.12 U2.13 U2.14 U2.15 USB1.4 USB1.MH1 USB1.MH2

## Polygon pours and split planes (outlines as drawn)
GND on Top Layer "Top Layer-No Net" (solid, remove dead copper, pour order 1): 0,118.11 0,1456.69 cw(c118.11,1456.69) 118.11,1574.8 1259.84,1574.8 cw(c1259.84,1456.69) 1377.95,1456.69 1377.95,118.11 cw(c1259.84,118.11) 1259.84,0 118.11,0 cw(c118.11,118.11)
no net on Top Layer "Top Layer-No Net" (solid, remove dead copper, pour order 4): 0,118.11 0,1456.69 cw(c118.11,1456.69) 118.11,1574.8 1259.84,1574.8 cw(c1259.84,1456.69) 1377.95,1456.69 1377.95,118.11 cw(c1259.84,118.11) 1259.84,0 118.11,0 cw(c118.11,118.11)
GND on Bottom Layer "Top Layer-No Net" (solid, remove dead copper, pour order 2): 0,118.11 0,1456.69 cw(c118.11,1456.69) 118.11,1574.8 1259.84,1574.8 cw(c1259.84,1456.69) 1377.95,1456.69 1377.95,118.11 cw(c1259.84,118.11) 1259.84,0 118.11,0 cw(c118.11,118.11)
GND on PWR "Top Layer-No Net" (solid, remove dead copper, pour order 6): 0,118.11 0,1456.69 cw(c118.11,1456.69) 118.11,1574.8 1259.84,1574.8 cw(c1259.84,1456.69) 1377.95,1456.69 1377.95,118.11 cw(c1259.84,118.11) 1259.84,0 118.11,0 cw(c118.11,118.11)
no net on GND (split plane): 1268.39,1554.42 1276.88,1553.31 1285.23,1551.45 1293.4,1548.88 1301.3,1545.6 1308.89,1541.65 1316.11,1537.05 1322.9,1531.84 1329.21,1526.06 1334.99,1519.75 1340.2,1512.96 1344.8,1505.74 1348.75,1498.15 1352.03,1490.25 1354.6,1482.08 1356.46,1473.73 1357.57,1465.24 1357.92,1457.33 1357.86,1456.69 1357.86,118.11 1357.92,117.48 1357.57,109.56 1356.46,101.07 1354.6,92.72 1352.03,84.56 1348.75,76.65 1344.8,69.06 1340.2,61.84 1334.99,55.05 1329.21,48.74 1322.9,42.96 1316.11,37.75 1308.89,33.15 1301.3,29.2 1293.4,25.92 1285.23,23.35 1276.88,21.5 1268.39,20.38 1260.48,20.03 1259.84,20.1 118.11,20.1 117.48,20.03 109.56,20.38 101.07,21.5 92.72,23.35 84.56,25.92 76.65,29.2 69.06,33.15 61.84,37.75 55.05,42.96 48.74,48.74 42.96,55.05 37.75,61.84 33.15,69.06 29.2,76.65 25.92,84.56 23.35,92.72 21.5,101.07 20.38,109.56 20.03,117.48 20.1,118.11 20.1,1456.69 20.03,1457.33 20.38,1465.24 21.5,1473.73 23.35,1482.08 25.92,1490.25 29.2,1498.15 33.15,1505.74 37.75,1512.96 42.96,1519.75 48.74,1526.06 55.05,1531.84 61.84,1537.05 69.06,1541.65 76.65,1545.6 84.56,1548.88 92.72,1551.45 101.07,1553.31 109.56,1554.42 117.48,1554.77 118.11,1554.71 1259.84,1554.71 1260.48,1554.77

## Keep-outs
Keep-Out Layer:
  the board outline again, w10

## Other copper
Top Layer:
  rectangle net NetC14_2: 1063,593 1116,645
  rectangle net 3V3: 897,658 971,693
  rectangle net 3V3: 897,642 933,668
  rectangle net P2_0: 969,198 1048,296
  rectangle net RESET: 970,76 1051,171
  rectangle net 3V3: 890,117 945,241
  rectangle net 3V3: 641,510 695,535
  rectangle net 3V3: 882,716 910,781
  rectangle net 3V3: 249,1138 717,1238
  rectangle net VCC1: 253,1009 398,1121
  rectangle net VCC-Li: 154,1048 186,1131
Bottom Layer:
  rectangle net NetC25_2: 252,921 309,1000
  rectangle net NetC25_1: 180,926 225,1001
  rectangle net NetD1_2: 537,1168 682,1397
  rectangle net VCC-Li: 246,1073 334,1250
  rectangle net VCC-Li: 159,1072 322,1126
  rectangle net VCC: 528,404 664,438
  rectangle net VCC-SUN: 446,920 499,1105

## Silkscreen, mask and mechanical layers (free items; w line width, h text height)
Top Overlay:
  text "充满" at 535,774 h80